# Altium PCB sumboost.PcbDoc (part 2 of 2)
Units mil, origin at the board's own origin, x right, y up, seen from the top; angles counter-clockwise.
Board outline 3937.01 x 3937.01 mil, 2 copper layers (Top Layer, Bottom Layer); 75 components, 26 nets, 285 pads, 2186 vias.
Unrouted connection lines stored in the file: 1.
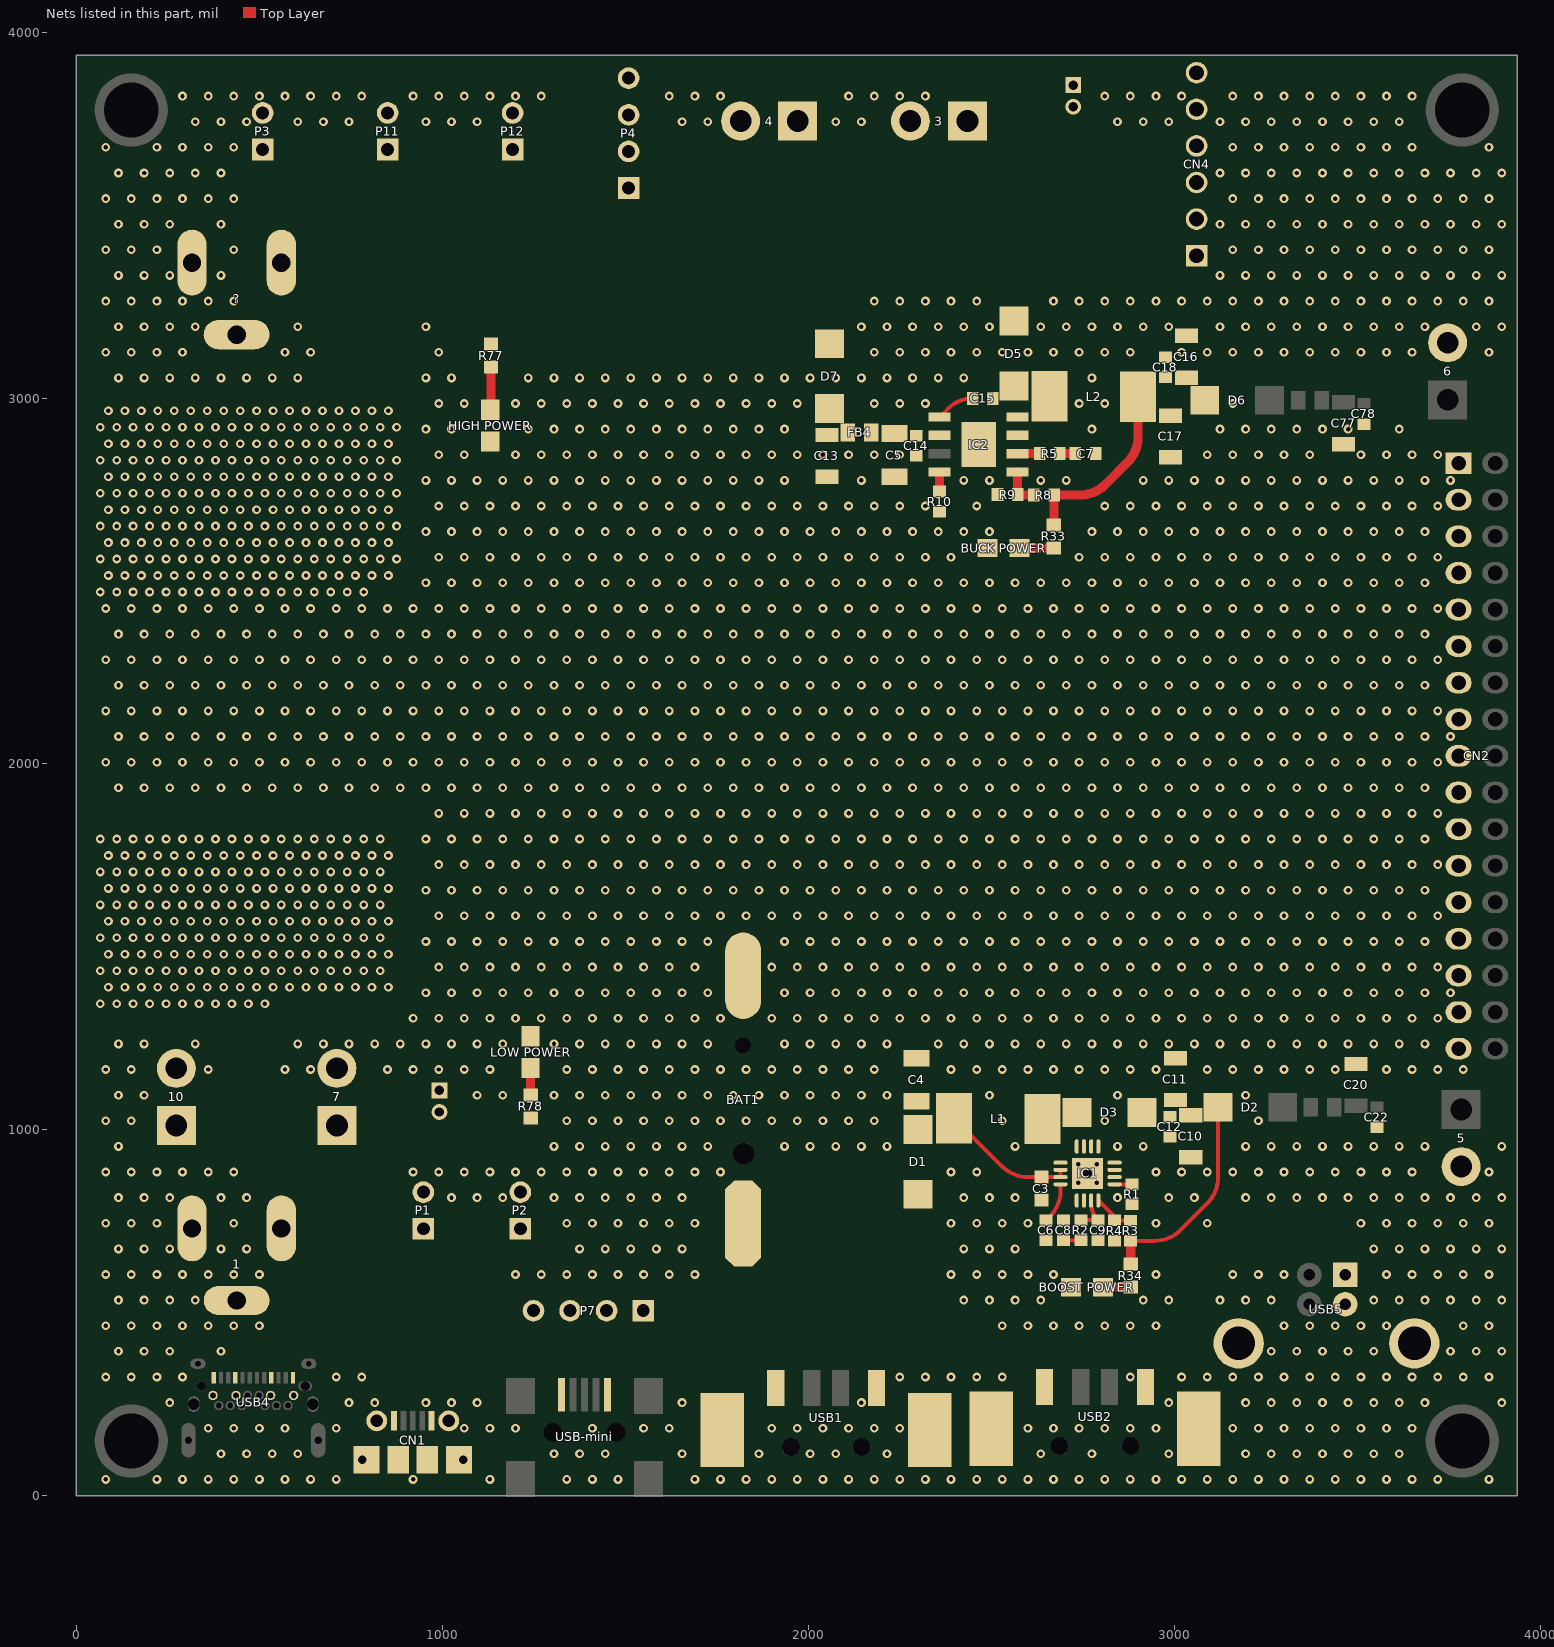
[diagram p2: the nets of this part, all layers, seen from the top]

## Via types
v1: diameter 24, hole 12, Top Layer to Bottom Layer, tented both sides, 2181 vias
v2: diameter 20, hole 12, Top Layer to Bottom Layer, 4 vias
v3: diameter 35, hole 25, Top Layer to Bottom Layer, 1 vias

## Nets (pads, with @x,y where several pads share a name; then routed paths per layer and width w, separated by ;. In a path a pad name is that pad's centre, name@x,y a point inside that pad or via, vN(x,y) a via of type N, cw(c..) or ccw(c..) an arc to the next point about the centre after c; other vN are vias at no path point) (continued)
GND: 1.2 1.3 3.2 4.2 5.2 6.2 7.2 10.2 "BOOST POWER.2" "BUCK POWER.2" "HIGH POWER.2" "LOW POWER.2" ?.1@992,1108.06 ?.1@2724,3855.06 ?.2@315.91,3370 ?.3 BAT1.2 C3.2 C4.2 C5.1 C6.1 C7.1 C8.1 C9.1 C10.1 C11.1 C12.1 C13.1 C14.1 C16.1 C17.1 C18.1 C20.1 C22.1 C77.1 C78.1 CN1.5 CN1.6 CN1.7 CN1.8 CN1.9 CN1.10 CN1.11 CN2.1 CN2.3 CN2.5 CN2.7 CN2.9 CN2.11 CN2.13 CN2.15 CN2.17 CN2.19 CN2.21 CN2.23 CN2.25 CN2.27 CN2.29 CN2.31 CN2.33 CN4.5 CN4.6 D5.1 IC1.5 IC1.6 IC1.10 IC1.11 IC1.12 IC1.13 IC1.14 IC1.17 IC2.7 IC2.9 P1.2 P2.2 P3.2 P4.4 P7.4 P11.2 P12.2 R1.2 R4.1 R9.1 R10.1 USB1.4 USB2.4 USB4.A1 USB4.A12 USB4.B1 USB4.B12 USB5.4 USB-mini.5
  other v1: 80,45 220,45 290,45 360,45 430,45 500,45 570,45 640,45 710,45 920,45 1130,45 1340,45 1410,45 1480,45 1690,45 1760,45 1830,45 1900,45 1970,45 2040,45 2110,45 2180,45 2250,45 2320,45 2390,45 2460,45 2530,45 2600,45 2670,45 2740,45 2810,45 2880,45 2950,45 3020,45 3090,45 3160,45 3230,45 3300,45 3370,45 3440,45 3510,45 3580,45 3650,45 3720,45 3860,45 395,115 465,115 535,115 605,115 1305,115 1375,115 1445,115 1655,115 1865,115 2005,115 2075,115 2215,115 2635,115 2775,115 2985,115 3195,115 3265,115 3335,115 3405,115 3475,115 3545,115 3615,115 360,185 430,185 500,185 570,185 710,185 1060,185 1130,185 1200,185 1410,185 1550,185 1620,185 1900,185 1970,185 2040,185 2110,185 2180,185 2250,185 2600,185 2670,185 2740,185 2810,185 2880,185 2950,185 3160,185 3230,185 3300,185 3370,185 3440,185 3510,185 3580,185 3650,185 255,255 745,255 815,255 955,255 1025,255 1095,255 1655,255 2145,255 2985,255 3195,255 3265,255 3335,255 3405,255 3475,255 3545,255 3615,255 3685,255 3895,255 80,325 150,325 220,325 290,325 710,325 780,325 2250,325 2320,325 2390,325 2460,325 2530,325 2880,325 3020,325 3090,325 3160,325 3230,325 3300,325 3370,325 3440,325 3510,325 3580,325 3650,325 3720,325 3790,325 3860,325 115,395 185,395 255,395 395,395 3265,395 3335,395 3405,395 3475,395 3545,395 3755,395 3825,395 3895,395 80,465 150,465 220,465 290,465 360,465 430,465 500,465 2530,465 2600,465 2670,465 2740,465 2810,465 2880,465 2950,465 3300,465 3370,465 3440,465 3510,465 3580,465 3790,465 3860,465 115,535 185,535 255,535 325,535 2425,535 2495,535 2565,535 2635,535 2915,535 2985,535 3125,535 3195,535 3265,535 3545,535 3615,535 3685,535 3755,535 3825,535 3895,535 80,605 150,605 220,605 290,605 360,605 430,605 500,605 1200,605 1270,605 1340,605 1410,605 1480,605 1550,605 1620,605 1690,605 2390,605 2460,605 2530,605 2600,605 2670,605 2950,605 3160,605 3230,605 3300,605 3580,605 3650,605 3720,605 3790,605 3860,605 115,675 185,675 255,675 395,675 465,675 1375,675 1445,675 1515,675 1585,675 1655,675 2425,675 2495,675 2565,675 3545,675 3615,675 3685,675 3755,675 3825,675 3895,675 80,745 150,745 220,745 430,745 1340,745 1410,745 1480,745 1550,745 1620,745 1690,745 2390,745 2460,745 2530,745 2600,745 2950,745 3090,745 3510,745 3580,745 3650,745 3720,745 3790,745 3860,745 115,815 185,815 255,815 395,815 465,815 1025,815 1095,815 1165,815 1305,815 1375,815 1445,815 1515,815 1585,815 1655,815 2425,815 2495,815 2565,815 2845,815 2985,815 3055,815 3195,815 3265,815 3335,815 3405,815 3475,815 3545,815 3615,815 3685,815 3755,815 3825,815 3895,815 80,885 150,885 220,885 290,885 360,885 430,885 920,885 990,885 1060,885 1130,885 1200,885 1270,885 1340,885 1410,885 1480,885 1550,885 1620,885 1690,885 1760,885 2390,885 2460,885 2950,885 3020,885 3090,885 3160,885 3230,885 3300,885 3370,885 3440,885 3510,885 3580,885 3650,885 3860,885 115,955 1305,955 1375,955 1445,955 1515,955 1585,955 1655,955 1725,955 1935,955 2005,955 2075,955 2145,955 2215,955 2565,955 2845,955 2915,955 3195,955 3265,955 3335,955 3405,955 3475,955 3545,955 3615,955 3685,955 3895,955 80,1025 150,1025 1340,1025 1410,1025 1480,1025 1550,1025 1620,1025 1690,1025 1760,1025 1830,1025 1900,1025 1970,1025 2040,1025 2110,1025 2180,1025 2530,1025 2810,1025 3230,1025 115,1095 185,1095 1095,1095 1165,1095 1305,1095 1375,1095 1445,1095 1515,1095 1585,1095 1655,1095 1725,1095 1795,1095 1865,1095 1935,1095 2005,1095 2075,1095 2145,1095 2215,1095 2495,1095 2845,1095 3195,1095 80,1165 150,1165 360,1165 570,1165 640,1165 850,1165 920,1165 990,1165 1060,1165 1130,1165 1340,1165 1410,1165 1480,1165 1550,1165 1620,1165 1690,1165 1760,1165 1830,1165 1900,1165 1970,1165 2040,1165 2110,1165 2180,1165 2390,1165 2460,1165 2530,1165 2600,1165 2670,1165 2740,1165 2810,1165 2880,1165 2950,1165 3090,1165 3160,1165 3230,1165 3300,1165 3370,1165 3440,1165 3580,1165 3650,1165 3720,1165 3790,1165 115,1235 185,1235 325,1235 605,1235 675,1235 745,1235 815,1235 885,1235 955,1235 1025,1235 1095,1235 1165,1235 1305,1235 1375,1235 1445,1235 1515,1235 1585,1235 1655,1235 1725,1235 1935,1235 2005,1235 2075,1235 2145,1235 2215,1235 2355,1235 2425,1235 2495,1235 2565,1235 2635,1235 2705,1235 2775,1235 2845,1235 2915,1235 2985,1235 3055,1235 3125,1235 3195,1235 3265,1235 3335,1235 3405,1235 3475,1235 3545,1235 3615,1235 3685,1235 920,1305 990,1305 1060,1305 1130,1305 1200,1305 1270,1305 1340,1305 1410,1305 1480,1305 1550,1305 1620,1305 1690,1305 1760,1305 1900,1305 1970,1305 2040,1305 2110,1305 2180,1305 2250,1305 2320,1305 2390,1305 2460,1305 2530,1305 2600,1305 2670,1305 2740,1305 2810,1305 2880,1305 2950,1305 3020,1305 3090,1305 3160,1305 3230,1305 3300,1305 3370,1305 3440,1305 3510,1305 3580,1305 3650,1305 3720,1305 955,1375 1025,1375 1095,1375 1165,1375 1235,1375 1305,1375 1375,1375 1445,1375 1515,1375 1585,1375 1655,1375 1725,1375 1935,1375 2005,1375 2075,1375 2145,1375 2215,1375 2285,1375 2355,1375 2425,1375 2495,1375 2565,1375 2635,1375 2705,1375 2775,1375 2845,1375 2915,1375 2985,1375 3055,1375 3125,1375 3195,1375 3265,1375 3335,1375 3405,1375 3475,1375 3545,1375 3615,1375 3685,1375 3755,1375 990,1445 1060,1445 1130,1445 1200,1445 1270,1445 1340,1445 1410,1445 1480,1445 1550,1445 1620,1445 1690,1445 1900,1445 1970,1445 2040,1445 2110,1445 2180,1445 2250,1445 2320,1445 2390,1445 2460,1445 2530,1445 2600,1445 2670,1445 2740,1445 2810,1445 2880,1445 2950,1445 3020,1445 3090,1445 3160,1445 3230,1445 3300,1445 3370,1445 3440,1445 3510,1445 3580,1445 3650,1445 3720,1445 955,1515 1025,1515 1095,1515 1165,1515 1235,1515 1305,1515 1375,1515 1445,1515 1515,1515 1585,1515 1655,1515 1725,1515 1935,1515 2005,1515 2075,1515 2145,1515 2215,1515 2285,1515 2355,1515 2425,1515 2495,1515 2565,1515 2635,1515 2705,1515 2775,1515 2845,1515 2915,1515 2985,1515 3055,1515 3125,1515 3195,1515 3265,1515 3335,1515 3405,1515 3475,1515 3545,1515 3615,1515 3685,1515 990,1585 1060,1585 1130,1585 1200,1585 1270,1585 1340,1585 1410,1585 1480,1585 1550,1585 1620,1585 1690,1585 1760,1585 1830,1585 1900,1585 1970,1585 2040,1585 2110,1585 2180,1585 2250,1585 2320,1585 2390,1585 2460,1585 2530,1585 2600,1585 2670,1585 2740,1585 2810,1585 2880,1585 2950,1585 3020,1585 3090,1585 3160,1585 3230,1585 3300,1585 3370,1585 3440,1585 3510,1585 3580,1585 3650,1585 3720,1585 955,1655 1025,1655 1095,1655 1165,1655 1235,1655 1305,1655 1375,1655 1445,1655 1515,1655 1585,1655 1655,1655 1725,1655 1795,1655 1865,1655 1935,1655 2005,1655 2075,1655 2145,1655 2215,1655 2285,1655 2355,1655 2425,1655 2495,1655 2565,1655 2635,1655 2705,1655 2775,1655 2845,1655 2915,1655 2985,1655 3055,1655 3125,1655 3195,1655 3265,1655 3335,1655 3405,1655 3475,1655 3545,1655 3615,1655 3685,1655 990,1725 1060,1725 1130,1725 1200,1725 1270,1725 1340,1725 1410,1725 1480,1725 1550,1725 1620,1725 1690,1725 1760,1725 1830,1725 1900,1725 1970,1725 2040,1725 2110,1725 2180,1725 2250,1725 2320,1725 2390,1725 2460,1725 2530,1725 2600,1725 2670,1725 2740,1725 2810,1725 2880,1725 2950,1725 3020,1725 3090,1725 3160,1725 3230,1725 3300,1725 3370,1725 3440,1725 3510,1725 3580,1725 3650,1725 3720,1725 955,1795 1025,1795 1095,1795 1165,1795 1235,1795 1305,1795 1375,1795 1445,1795 1515,1795 1585,1795 1655,1795 1725,1795 1795,1795 1865,1795 1935,1795 2005,1795 2075,1795 2145,1795 2215,1795 2285,1795 2355,1795 2425,1795 2495,1795 2565,1795 2635,1795 2705,1795 2775,1795 2845,1795 2915,1795 2985,1795 3055,1795 3125,1795 3195,1795 3265,1795 3335,1795 3405,1795 3475,1795 3545,1795 3615,1795 3685,1795 990,1865 1060,1865 1130,1865 1200,1865 1270,1865 1340,1865 1410,1865 1480,1865 1550,1865 1620,1865 1690,1865 1760,1865 1830,1865 1900,1865 1970,1865 2040,1865 2110,1865 2180,1865 2250,1865 2320,1865 2390,1865 2460,1865 2530,1865 2600,1865 2670,1865 2740,1865 2810,1865 2880,1865 2950,1865 3020,1865 3090,1865 3160,1865 3230,1865 3300,1865 3370,1865 3440,1865 3510,1865 3580,1865 3650,1865 3720,1865 115,1935 185,1935 255,1935 325,1935 395,1935 465,1935 535,1935 605,1935 675,1935 745,1935 815,1935 885,1935 955,1935 1025,1935 1095,1935 1165,1935 1235,1935 1305,1935 1375,1935 1445,1935 1515,1935 1585,1935 1655,1935 1725,1935 1795,1935 1865,1935 1935,1935 2005,1935 2075,1935 2145,1935 2215,1935 2285,1935 2355,1935 2425,1935 2495,1935 2565,1935 2635,1935 2705,1935 2775,1935 2845,1935 2915,1935 2985,1935 3055,1935 3125,1935 3195,1935 3265,1935 3335,1935 3405,1935 3475,1935 3545,1935 3615,1935 3685,1935 80,2005 150,2005 220,2005 290,2005 360,2005 430,2005 500,2005 570,2005 640,2005 710,2005 780,2005 850,2005 920,2005 990,2005 1060,2005 1130,2005 1200,2005 1270,2005 1340,2005 1410,2005 1480,2005 1550,2005 1620,2005 1690,2005 1760,2005 1830,2005 1900,2005 1970,2005 2040,2005 2110,2005 2180,2005 2250,2005 2320,2005 2390,2005 2460,2005 2530,2005 2600,2005 2670,2005 2740,2005 2810,2005 2880,2005 2950,2005 3020,2005 3090,2005 3160,2005 3230,2005 3300,2005 3370,2005 3440,2005 3510,2005 3580,2005 3650,2005 3720,2005 115,2075 185,2075 255,2075 325,2075 395,2075 465,2075 535,2075 605,2075 675,2075 745,2075 815,2075 885,2075 955,2075 1025,2075 1095,2075 1165,2075 1235,2075 1305,2075 1375,2075 1445,2075 1515,2075 1585,2075 1655,2075 1725,2075 1795,2075 1865,2075 1935,2075 2005,2075 2075,2075 2145,2075 2215,2075 2285,2075 2355,2075 2425,2075 2495,2075 2565,2075 2635,2075 2705,2075 2775,2075 2845,2075 2915,2075 2985,2075 3055,2075 3125,2075 3195,2075 3265,2075 3335,2075 3405,2075 3475,2075 3545,2075 3615,2075 3685,2075 3755,2075 80,2145 150,2145 220,2145 290,2145 360,2145 430,2145 500,2145 570,2145 640,2145 710,2145 780,2145 850,2145 920,2145 990,2145 1060,2145 1130,2145 1200,2145 1270,2145 1340,2145 1410,2145 1480,2145 1550,2145 1620,2145 1690,2145 1760,2145 1830,2145 1900,2145 1970,2145 2040,2145 2110,2145 2180,2145 2250,2145 2320,2145 2390,2145 2460,2145 2530,2145 2600,2145 2670,2145 2740,2145 2810,2145 2880,2145 2950,2145 3020,2145 3090,2145 3160,2145 3230,2145 3300,2145 3370,2145 3440,2145 3510,2145 3580,2145 3650,2145 3720,2145 115,2215 185,2215 255,2215 325,2215 395,2215 465,2215 535,2215 605,2215 675,2215 745,2215 815,2215 885,2215 955,2215 1025,2215 1095,2215 1165,2215 1235,2215 1305,2215 1375,2215 1445,2215 1515,2215 1585,2215 1655,2215 1725,2215 1795,2215 1865,2215 1935,2215 2005,2215 2075,2215 2145,2215 2215,2215 2285,2215 2355,2215 2425,2215 2495,2215 2565,2215 2635,2215 2705,2215 2775,2215 2845,2215 2915,2215 2985,2215 3055,2215 3125,2215 3195,2215 3265,2215 3335,2215 3405,2215 3475,2215 3545,2215 3615,2215 3685,2215 80,2285 150,2285 220,2285 290,2285 360,2285 430,2285 500,2285 570,2285 640,2285 710,2285 780,2285 850,2285 920,2285 990,2285 1060,2285 1130,2285 1200,2285 1270,2285 1340,2285 1410,2285 1480,2285 1550,2285 1620,2285 1690,2285 1760,2285 1830,2285 1900,2285 1970,2285 2040,2285 2110,2285 2180,2285 2250,2285 2320,2285 2390,2285 2460,2285 2530,2285 2600,2285 2670,2285 2740,2285 2810,2285 2880,2285 2950,2285 3020,2285 3090,2285 3160,2285 3230,2285 3300,2285 3370,2285 3440,2285 3510,2285 3580,2285 3650,2285 3720,2285 115,2355 185,2355 255,2355 325,2355 395,2355 465,2355 535,2355 605,2355 675,2355 745,2355 815,2355 885,2355 955,2355 1025,2355 1095,2355 1165,2355 1235,2355 1305,2355 1375,2355 1445,2355 1515,2355 1585,2355 1655,2355 1725,2355 1795,2355 1865,2355 1935,2355 2005,2355 2075,2355 2145,2355 2215,2355 2285,2355 2355,2355 2425,2355 2495,2355 2565,2355 2635,2355 2705,2355 2775,2355 2845,2355 2915,2355 2985,2355 3055,2355 3125,2355 3195,2355 3265,2355 3335,2355 3405,2355 3475,2355 3545,2355 3615,2355 3685,2355 80,2425 150,2425 220,2425 290,2425 360,2425 430,2425 500,2425 570,2425 640,2425 710,2425 780,2425 850,2425 920,2425 990,2425 1060,2425 1130,2425 1200,2425 1270,2425 1340,2425 1410,2425 1480,2425 1550,2425 1620,2425 1690,2425 1760,2425 1830,2425 1900,2425 1970,2425 2040,2425 2110,2425 2180,2425 2250,2425 2320,2425 2390,2425 2460,2425 2530,2425 2600,2425 2670,2425 2740,2425 2810,2425 2880,2425 2950,2425 3020,2425 3090,2425 3160,2425 3230,2425 3300,2425 3370,2425 3440,2425 3510,2425 3580,2425 3650,2425 3720,2425 955,2495 1025,2495 1095,2495 1165,2495 1235,2495 1305,2495 1375,2495 1445,2495 1515,2495 1585,2495 1655,2495 1725,2495 1795,2495 1865,2495 1935,2495 2005,2495 2075,2495 2145,2495 2215,2495 2285,2495 2355,2495 2425,2495 2495,2495 2565,2495 2635,2495 2705,2495 2775,2495 2845,2495 2915,2495 2985,2495 3055,2495 3125,2495 3195,2495 3265,2495 3335,2495 3405,2495 3475,2495 3545,2495 3615,2495 3685,2495 990,2565 1060,2565 1130,2565 1200,2565 1270,2565 1340,2565 1410,2565 1480,2565 1550,2565 1620,2565 1690,2565 1760,2565 1830,2565 1900,2565 1970,2565 2040,2565 2110,2565 2180,2565 2250,2565 2320,2565 2390,2565 2740,2565 2810,2565 2880,2565 2950,2565 3020,2565 3090,2565 3160,2565 3230,2565 3300,2565 3370,2565 3440,2565 3510,2565 3580,2565 3650,2565 3720,2565 955,2635 1025,2635 1095,2635 1165,2635 1235,2635 1305,2635 1375,2635 1445,2635 1515,2635 1585,2635 1655,2635 1725,2635 1795,2635 1865,2635 1935,2635 2005,2635 2075,2635 2145,2635 2215,2635 2285,2635 2355,2635 2425,2635 2495,2635 2775,2635 2845,2635 2915,2635 2985,2635 3055,2635 3125,2635 3195,2635 3265,2635 3335,2635 3405,2635 3475,2635 3545,2635 3615,2635 3685,2635 990,2705 1060,2705 1130,2705 1200,2705 1270,2705 1340,2705 1410,2705 1480,2705 1550,2705 1620,2705 1690,2705 1760,2705 1830,2705 1900,2705 1970,2705 2040,2705 2110,2705 2180,2705 2250,2705 2320,2705 2460,2705 2810,2705 2880,2705 2950,2705 3020,2705 3090,2705 3160,2705 3230,2705 3300,2705 3370,2705 3440,2705 3510,2705 3580,2705 3650,2705 3720,2705 955,2775 1025,2775 1095,2775 1165,2775 1235,2775 1305,2775 1375,2775 1445,2775 1515,2775 1585,2775 1655,2775 1725,2775 1795,2775 1865,2775 1935,2775 2145,2775 2425,2775 2495,2775 2635,2775 2705,2775 2915,2775 2985,2775 3055,2775 3125,2775 3195,2775 3265,2775 3335,2775 3405,2775 3475,2775 3545,2775 3615,2775 3685,2775 3755,2775 990,2845 1060,2845 1200,2845 1270,2845 1340,2845 1410,2845 1480,2845 1550,2845 1620,2845 1690,2845 1760,2845 1830,2845 1900,2845 1970,2845 2040,2845 2110,2845 2180,2845 2250,2845 3090,2845 3160,2845 3230,2845 3300,2845 3370,2845 3510,2845 3580,2845 3650,2845 3720,2845 955,2915 1025,2915 1235,2915 1305,2915 1375,2915 1445,2915 1515,2915 1585,2915 1655,2915 1725,2915 1795,2915 1865,2915 1935,2915 2775,2915 3125,2915 3195,2915 3265,2915 3335,2915 3405,2915 3475,2915 3615,2915 990,2985 1060,2985 1200,2985 1270,2985 1340,2985 1410,2985 1480,2985 1550,2985 1620,2985 1690,2985 1760,2985 1830,2985 1900,2985 1970,2985 2180,2985 2250,2985 2320,2985 2740,2985 2810,2985 3160,2985 115,3055 185,3055 255,3055 325,3055 395,3055 465,3055 535,3055 605,3055 955,3055 1025,3055 1235,3055 1305,3055 1375,3055 1445,3055 1515,3055 1585,3055 1655,3055 1725,3055 1795,3055 1865,3055 1935,3055 2005,3055 2075,3055 2145,3055 2215,3055 2285,3055 2355,3055 2425,3055 2775,3055 80,3125 150,3125 220,3125 290,3125 570,3125 640,3125 990,3125 2180,3125 2250,3125 2320,3125 2390,3125 2460,3125 2530,3125 2600,3125 2670,3125 2740,3125 2810,3125 2880,3125 3020,3125 3090,3125 3160,3125 3230,3125 3300,3125 3370,3125 3440,3125 3510,3125 3580,3125 3650,3125 3860,3125 115,3195 185,3195 255,3195 325,3195 605,3195 955,3195 2145,3195 2215,3195 2285,3195 2355,3195 2425,3195 2495,3195 2635,3195 2705,3195 2775,3195 2845,3195 2915,3195 2985,3195 3125,3195 3195,3195 3265,3195 3335,3195 3405,3195 3475,3195 3545,3195 3615,3195 3685,3195 3825,3195 3895,3195 80,3265 150,3265 220,3265 290,3265 360,3265 430,3265 2180,3265 2250,3265 2320,3265 2390,3265 2460,3265 2670,3265 2740,3265 2810,3265 2880,3265 2950,3265 3020,3265 3090,3265 3160,3265 3230,3265 3300,3265 3370,3265 3440,3265 3510,3265 3580,3265 3650,3265 3720,3265 3790,3265 3860,3265 115,3335 185,3335 255,3335 395,3335 3125,3335 3195,3335 3265,3335 3335,3335 3405,3335 3475,3335 3545,3335 3615,3335 3685,3335 3755,3335 3825,3335 3895,3335 80,3405 150,3405 220,3405 430,3405 3160,3405 3230,3405 3300,3405 3370,3405 3440,3405 3510,3405 3580,3405 3650,3405 3720,3405 3790,3405 3860,3405 115,3475 185,3475 255,3475 395,3475 3125,3475 3195,3475 3265,3475 3335,3475 3405,3475 3475,3475 3545,3475 3615,3475 3685,3475 3755,3475 3825,3475 3895,3475 80,3545 150,3545 220,3545 290,3545 360,3545 430,3545 3160,3545 3230,3545 3300,3545 3370,3545 3440,3545 3510,3545 3580,3545 3650,3545 3720,3545 3790,3545 3860,3545 115,3615 185,3615 255,3615 325,3615 395,3615 3125,3615 3195,3615 3265,3615 3335,3615 3405,3615 3475,3615 3545,3615 3615,3615 3685,3615 3755,3615 3825,3615 3895,3615 80,3685 220,3685 290,3685 360,3685 430,3685 3160,3685 3230,3685 3300,3685 3370,3685 3440,3685 3510,3685 3580,3685 3650,3685 3860,3685 325,3755 395,3755 465,3755 605,3755 675,3755 745,3755 955,3755 1025,3755 1095,3755 1655,3755 1725,3755 2075,3755 2145,3755 2845,3755 2915,3755 2985,3755 3125,3755 3195,3755 3265,3755 3335,3755 3405,3755 3475,3755 3545,3755 3615,3755 290,3825 360,3825 430,3825 500,3825 570,3825 640,3825 710,3825 780,3825 920,3825 990,3825 1060,3825 1130,3825 1200,3825 1270,3825 1620,3825 1690,3825 1760,3825 2110,3825 2180,3825 2250,3825 2320,3825 2810,3825 2880,3825 2950,3825 3020,3825 3160,3825 3230,3825 3300,3825 3370,3825 3440,3825 3510,3825 3580,3825 3650,3825
  other v2: 2738,856 2788,856 2738,906 2788,906
  other v3: 2763,881
NetC3_1: C3.1 C4.1 D1.2 IC1.2 IC1.3 L1.1 | length 372.6
  Top Layer w11: L1.1@2398.09,1031.88 2529.29,900.68 ccw(c2600,971.39) 2600,871.39 C3.1@2637.16,871.39 ; C3.1@2637.39,871.16 IC1.3@2689.1,871.16 IC1.2@2689.1,890.84
NetC5_2: C5.2 C14.2 C15.1 FB4.2 IC2.1 IC2.2 | length 108
  Top Layer w11: IC2.1@2358.46,2948 2381.18,2970.73 cw(c2449.44,2902.47) C15.1@2449.44,2999
NetC6_2: C6.2 IC1.4 | length 96.2
  Top Layer w11: C6.2@2659.81,763.11 ccw(c2589.1,833.82) 2689.1,833.82 IC1.4@2689.1,851.47
NetC7_2: C7.2 R5.1 | length 42.9
  Top Layer w25: R5.1@2687.12,2848 C7.2@2730,2848
NetC8_2: C8.2 R2.2 | length 47.2
  Top Layer w11: C8.2@2697.36,698.34 R2.2@2744.56,698.34
NetC9_2: C9.2 IC1.7 R2.1 | length 105.9
  Top Layer w11: R2.1@2744.56,753.46 C9.2@2791.76,753.46 cw(c2837.42,799.12) 2772.84,799.12 IC1.7@2772.84,807.1
NetC10_2: C10.2 C11.2 C12.2 D2.1 D3.2 R3.2 R34.1 | length 581.3
  Top Layer w11: R3.2@2881,696.88 2946.46,696.88 ccw(c2946.46,796.88) 3017.17,726.17 3090.13,799.13 ccw(c3019.42,869.84) 3119.42,869.84 D2.1@3119.42,1062
  Top Layer w25: R34.1@2881,633.5 R3.2@2881,696.88
NetC13_2: C13.2 D7.2 FB4.1
NetC15_2: C15.2 D5.2 IC2.8 L2.1
NetC16_2: C16.2 C17.2 C18.2 D6.1 L2.2 R8.2 R33.1 | length 501.4
  Top Layer w25: R33.1@2671,2653.5 ccw(c2669.65,2654.85) 2671.56,2654.85 R8.2@2671.56,2735 2741.58,2735 ccw(c2741.58,2835) 2812.29,2764.29 2871.84,2823.84 ccw(c2801.13,2894.55) 2901.13,2894.55 L2.2@2901.13,3003.03
NetD3_1: D3.1 IC1.1 IC1.15 IC1.16 L1.2
NetIC1_8: IC1.8 R3.1 R4.2 | length 116.1
  Top Layer w11: IC1.8@2792.53,807.1 2829.88,769.75 cw(c2812.69,752.56) R4.2@2837,752.56 2879.65,752.56 cw(c2879.65,750.65) R3.1@2881,752
NetIC1_9: IC1.9 R1.1 | length 48.2
  Top Layer w11: IC1.9@2836.9,851.47 R1.1@2885.14,851.47
NetIC2_4: IC2.4 R10.2 | length 53.6
  Top Layer w25: IC2.4@2358.46,2798 2358.46,2745.87 ccw(c2360.31,2745.87) R10.2@2359,2744.56
NetIC2_5: IC2.5 R8.1 R9.2 | length 106.6
  Top Layer w25: IC2.5@2572,2798 2572,2736.12 ccw(c2574.7,2738.82) 2574.7,2735 R8.1@2616.44,2735
NetIC2_6: IC2.6 R5.2 | length 60
  Top Layer w25: IC2.6@2572,2848 R5.2@2632,2848
NetLD1_1: "BOOST POWER.1" R34.2 | length 76.1
  Top Layer w25: 2805,570 cw(c2806.22,568.78) 2806.22,570.5 R34.2@2881,570.5
NetLD2_1: "BUCK POWER.1" R33.2 | length 94.1
  Top Layer w25: 2577,2590 cw(c2578.22,2588.78) 2578.22,2590.5 R33.2@2671,2590.5
NetLD3_1: "LOW POWER.1" R78.2 | length 73
  Top Layer w25: R78.2@1241,1095.99 1241,1168.99
NetLD4_1: "HIGH POWER.1" R77.2 | length 117
  Top Layer w25: 1131,2968 ccw(c1126.17,2972.83) 1133,2972.83 R77.2@1133,3084.5
VHIGH: 3.1 4.1 ?.1@560,3370 ?.2@2724,3796 CN4.1 CN4.2 CN4.3 CN4.4 D7.1 P3.1 P4.1 P4.2 P4.3 P11.1 P12.1 R77.1
  other v1: 65,2470 110,2470 155,2470 200,2470 245,2470 290,2470 335,2470 380,2470 425,2470 470,2470 515,2470 560,2470 605,2470 650,2470 695,2470 740,2470 785,2470 87.5,2515 132.5,2515 177.5,2515 222.5,2515 267.5,2515 312.5,2515 357.5,2515 402.5,2515 447.5,2515 492.5,2515 537.5,2515 582.5,2515 627.5,2515 672.5,2515 717.5,2515 762.5,2515 807.5,2515 852.5,2515 65,2560 110,2560 155,2560 200,2560 245,2560 290,2560 335,2560 380,2560 425,2560 470,2560 515,2560 560,2560 605,2560 650,2560 695,2560 740,2560 785,2560 830,2560 875,2560 87.5,2605 132.5,2605 177.5,2605 222.5,2605 267.5,2605 312.5,2605 357.5,2605 402.5,2605 447.5,2605 492.5,2605 537.5,2605 582.5,2605 627.5,2605 672.5,2605 717.5,2605 762.5,2605 807.5,2605 852.5,2605 65,2650 110,2650 155,2650 200,2650 245,2650 290,2650 335,2650 380,2650 425,2650 470,2650 515,2650 560,2650 605,2650 650,2650 695,2650 740,2650 785,2650 830,2650 875,2650 87.5,2695 132.5,2695 177.5,2695 222.5,2695 267.5,2695 312.5,2695 357.5,2695 402.5,2695 447.5,2695 492.5,2695 537.5,2695 582.5,2695 627.5,2695 672.5,2695 717.5,2695 762.5,2695 807.5,2695 852.5,2695 65,2740 110,2740 155,2740 200,2740 245,2740 290,2740 335,2740 380,2740 425,2740 470,2740 515,2740 560,2740 605,2740 650,2740 695,2740 740,2740 785,2740 830,2740 875,2740 87.5,2785 132.5,2785 177.5,2785 222.5,2785 267.5,2785 312.5,2785 357.5,2785 402.5,2785 447.5,2785 492.5,2785 537.5,2785 582.5,2785 627.5,2785 672.5,2785 717.5,2785 762.5,2785 807.5,2785 852.5,2785 65,2830 110,2830 155,2830 200,2830 245,2830 290,2830 335,2830 380,2830 425,2830 470,2830 515,2830 560,2830 605,2830 650,2830 695,2830 740,2830 785,2830 830,2830 875,2830 87.5,2875 132.5,2875 177.5,2875 222.5,2875 267.5,2875 312.5,2875 357.5,2875 402.5,2875 447.5,2875 492.5,2875 537.5,2875 582.5,2875 627.5,2875 672.5,2875 717.5,2875 762.5,2875 807.5,2875 852.5,2875 65,2920 110,2920 155,2920 200,2920 245,2920 290,2920 335,2920 380,2920 425,2920 470,2920 515,2920 560,2920 605,2920 650,2920 695,2920 740,2920 785,2920 830,2920 875,2920 87.5,2965 132.5,2965 177.5,2965 222.5,2965 267.5,2965 312.5,2965 357.5,2965 402.5,2965 447.5,2965 492.5,2965 537.5,2965 582.5,2965 627.5,2965 672.5,2965 717.5,2965 762.5,2965 807.5,2965 852.5,2965
VLOW: 1.1 7.1 10.1 ?.2@992,1049 BAT1.1 CN1.1 D1.1 P1.1 P2.1 P7.1 P7.2 P7.3 R78.1 USB1.1 USB2.1 USB4.A4 USB4.A9 USB4.B4 USB4.B9 USB5.1 USB-mini.1
  other v1: 65,1345 110,1345 155,1345 200,1345 245,1345 290,1345 335,1345 380,1345 425,1345 470,1345 515,1345 87.5,1390 132.5,1390 177.5,1390 222.5,1390 267.5,1390 312.5,1390 357.5,1390 402.5,1390 447.5,1390 492.5,1390 537.5,1390 582.5,1390 627.5,1390 672.5,1390 717.5,1390 762.5,1390 807.5,1390 852.5,1390 65,1435 110,1435 155,1435 200,1435 245,1435 290,1435 335,1435 380,1435 425,1435 470,1435 515,1435 560,1435 605,1435 650,1435 695,1435 740,1435 785,1435 830,1435 87.5,1480 132.5,1480 177.5,1480 222.5,1480 267.5,1480 312.5,1480 357.5,1480 402.5,1480 447.5,1480 492.5,1480 537.5,1480 582.5,1480 627.5,1480 672.5,1480 717.5,1480 762.5,1480 807.5,1480 852.5,1480 65,1525 110,1525 155,1525 200,1525 245,1525 290,1525 335,1525 380,1525 425,1525 470,1525 515,1525 560,1525 605,1525 650,1525 695,1525 740,1525 785,1525 830,1525 87.5,1570 132.5,1570 177.5,1570 222.5,1570 267.5,1570 312.5,1570 357.5,1570 402.5,1570 447.5,1570 492.5,1570 537.5,1570 582.5,1570 627.5,1570 672.5,1570 717.5,1570 762.5,1570 807.5,1570 852.5,1570 65,1615 110,1615 155,1615 200,1615 245,1615 290,1615 335,1615 380,1615 425,1615 470,1615 515,1615 560,1615 605,1615 650,1615 695,1615 740,1615 785,1615 830,1615 87.5,1660 132.5,1660 177.5,1660 222.5,1660 267.5,1660 312.5,1660 357.5,1660 402.5,1660 447.5,1660 492.5,1660 537.5,1660 582.5,1660 627.5,1660 672.5,1660 717.5,1660 762.5,1660 807.5,1660 852.5,1660 65,1705 110,1705 155,1705 200,1705 245,1705 290,1705 335,1705 380,1705 425,1705 470,1705 515,1705 560,1705 605,1705 650,1705 695,1705 740,1705 785,1705 830,1705 87.5,1750 132.5,1750 177.5,1750 222.5,1750 267.5,1750 312.5,1750 357.5,1750 402.5,1750 447.5,1750 492.5,1750 537.5,1750 582.5,1750 627.5,1750 672.5,1750 717.5,1750 762.5,1750 807.5,1750 852.5,1750 65,1795 110,1795 155,1795 200,1795 245,1795 290,1795 335,1795 380,1795 425,1795 470,1795 515,1795 560,1795 605,1795 650,1795 695,1795 740,1795 785,1795 830,1795
pads on no net: BAT1.0 CN1.2 CN1.3 CN1.4 IC2.3 USB1.2 USB1.3 USB1.7 USB1.8 USB2.2 USB2.3 USB2.7 USB2.8 USB4.0 USB4.A2 USB4.A3 USB4.A5 USB4.A6 USB4.A7 USB4.A8 USB4.A10 USB4.A11 USB4.B2 USB4.B3 USB4.B5 USB4.B6 USB4.B7 USB4.B8 USB4.B10 USB4.B11 USB4.N USB5.2 USB5.3 USB-mini.2 USB-mini.3 USB-mini.4 USB-mini.6 USB-mini.7 USB-mini.8 USB-mini.9 USB-mini.MH1 USB-mini.MH2

## Polygon pours and split planes (outlines as drawn)
GND on Top Layer "Top Layer-No Net" (solid, pour order 40): 0,3937.01 3937.01,3937.01 3937.01,0 2.41,0 cw(c2.41,3.41) 0,1
VHIGH on Top Layer "Top Layer-No Net" (solid, pour order 38): 693,3310 693,3077.28 cw(c624.72,3077.28) 673,3029 662.29,3018.29 cw(c591.58,3089) 591.58,2989 6,2989 6,2452 769.58,2452 ccw(c769.58,2552) 840.29,2481.29 892,2533 ccw(c875.1,2549.9) 899,2549.9 899,3318
VLOW on Top Layer "Top Layer-No Net" (solid, pour order 36): 383,1070 383,1206.58 ccw(c283,1206.58) 353.71,1277.29 336.29,1294.71 ccw(c265.58,1224) 265.58,1324 -2,1324 -2,1853.17 cw(c4.83,1853.17) 0,1858 cw(c4.83,1853.17) 4.83,1860 856.59,1860 cw(c856.59,1856.59) 859,1859 cw(c839.69,1839.69) 867,1839.69 867,1361 627.42,1361 ccw(c627.42,1261) 556.71,1331.71 531,1306 ccw(c572.04,1264.96) 514,1264.96 514,1073
VLOW on Top Layer "Top Layer-No Net" (solid, pour order 22): 165 vertices, not listed, extent 185,178 3500,1092
VHIGH on Top Layer "Top Layer-No Net" (solid, pour order 20): 486.9,3719 ccw(c486.9,3695.1) 470,3712 ccw(c477.24,3704.76) 467,3704.76 467,3360.42 ccw(c567,3360.42) 496.29,3289.71 503,3283 ccw(c544.04,3324.04) 544.04,3266 927.58,3266 cw(c927.58,3166) 998.29,3236.71 1063.27,3171.73 cw(c1032.54,3141) 1076,3141 ccw(c1085.66,3141) 1078.83,3134.17 1079,3134 ccw(c1100.73,3155.73) 1100.73,3125 2052.54,3125 ccw(c2052.54,3186.46) 2096,3143 2096,3222.58 cw(c2196,3222.58) 2125.29,3293.29 2159.71,3327.71 cw(c2230.42,3257) 2230.42,3357 3050,3357 ccw(c3050,3405.28) 3084.14,3371.14 3087,3374 ccw(c3077.34,3383.66) 3091,3383.66 3091,3686.86 ccw(c3056.86,3686.86) 3081,3711 ccw(c3056.86,3686.86) 3056.86,3721 2883.42,3721 cw(c2883.42,3821) 2812.71,3750.29 2754.73,3808.27 ccw(c2724,3777.54) 2724,3821 2395.9,3821 ccw(c2395.9,3797.1) 2379,3814 ccw(c2395.9,3797.1) 2372,3797.1 2372,3711 cw(c2345.44,3711) 2364.22,3692.22 2358,3686 cw(c2341.1,3702.9) 2341.1,3679 2080.14,3679 cw(c2080.14,3713.14) 2056,3689 cw(c2092.21,3725.21) 2041,3725.21 2041,3793.62 ccw(c1996.62,3793.62) 2028,3825 ccw(c2011.1,3808.1) 2011.1,3832 1946.8,3832 ccw(c1946.8,3784.2) 1913,3818 ccw(c1932.31,3798.69) 1905,3798.69 1905,3717 cw(c1876.03,3717) 1896.51,3696.51 1892,3692 cw(c1877.51,3706.49) 1877.51,3686 1672.42,3686 cw(c1672.42,3786) 1601.71,3715.29 1554.36,3762.64 cw(c1569.73,3778) 1548,3778 1548,3786.27 ccw(c1517.27,3786.27) 1539,3808 ccw(c1517.27,3786.27) 1517.27,3817 1369.42,3817 ccw(c1369.42,3717) 1298.71,3787.71 1244.26,3733.26 cw(c1205,3772.53) 1205,3717 510.83,3717 cw(c510.83,3723.83) 506,3719
+VOUT on Top Layer "Top Layer-No Net" (solid, pour order 18): 3273,3079 3268.7,3079 ccw(c3268.7,3007.3) 3218,3058 ccw(c3222.83,3053.17) 3216,3053.17 3216,2967.07 ccw(c3233.07,2967.07) 3221,2955 ccw(c3228.24,2962.24) 3228.24,2952 3478.93,2952 ccw(c3478.93,2969.07) 3491,2957 cw(c3505.49,2942.51) 3505.49,2963 3631.3,2963 cw(c3631.3,2891.3) 3682,2942 ccw(c3701.31,2961.31) 3701.31,2934 3750.58,2934 cw(c3750.58,2834) 3821.29,2904.71 3824,2902 cw(c3802.27,2880.27) 3833,2880.27 3833,1185.77 cw(c3744.23,1185.77) 3807,1123 cw(c3787.69,1142.31) 3787.69,1115 3470.28,1115 ccw(c3470.28,1046.72) 3422,1095 ccw(c3438.9,1078.1) 3415,1078.1 3415,1041.83 ccw(c3421.83,1041.83) 3417,1037 ccw(c3419.41,1039.41) 3419.41,1036 3655.58,1036 cw(c3655.58,936) 3726.29,1006.71 3731,1002 ccw(c3740.66,1011.66) 3740.66,998 3937,998 3937,3080
NetC16_2 on Top Layer "Top Layer-No Net" (solid, pour order 16): 2853,3079 ccw(c2867.49,3064.51) 2847,3064.51 2847,2941.24 ccw(c2857.24,2941.24) 2850,2934 ccw(c2857.24,2941.24) 2857.24,2931 3072.72,2931 ccw(c3072.72,2999.28) 3121,2951 ccw(c3113.76,2958.24) 3124,2958.24 3124,3057.51 ccw(c3103.51,3057.51) 3118,3072 ccw(c3096.27,3050.27) 3096.27,3081 2857.83,3081 ccw(c2857.83,3074.17)
NetC13_2 on Top Layer "Top Layer-No Net" (solid, pour order 14): 2022.83,3014 ccw(c2022.83,3007.17) 2018,3012 ccw(c2020.41,3009.59) 2017,3009.59 2017,2881.41 ccw(c2020.41,2881.41) 2018,2879 ccw(c2022.83,2883.83) 2022.83,2877 2122.76,2877 ccw(c2122.76,2887.24) 2130,2880 ccw(c2127.59,2882.41) 2131,2882.41 2131,2999.93 ccw(c2113.93,2999.93) 2126,3012 ccw(c2121.17,3007.17) 2121.17,3014
NetC5_2 on Top Layer "Top Layer-No Net" (solid, pour order 12): 2156.83,2934 ccw(c2156.83,2927.17) 2152,2932 ccw(c2156.83,2927.17) 2150,2927.17 2150,2884.41 ccw(c2153.41,2884.41) 2151,2882 ccw(c2153.41,2884.41) 2153.41,2881 2380.34,2881 ccw(c2380.34,2894.66) 2390,2885 ccw(c2385.17,2889.83) 2392,2889.83 2392,2957.17 ccw(c2385.17,2957.17) 2390,2962 ccw(c2385.17,2957.17) 2385.17,2964 2334.24,2964 ccw(c2334.24,2953.76) 2327,2961 ccw(c2331.83,2956.17) 2325,2956.17 2325,2930.07 cw(c2307.93,2930.07) 2320,2918 cw(c2312.76,2925.24) 2312.76,2915 2284.24,2915 cw(c2284.24,2925.24) 2277,2918 2276.12,2918.88 cw(c2281.24,2924) 2274,2924 2274,2927.59 ccw(c2270.59,2927.59) 2273,2930 ccw(c2263.34,2920.34) 2263.34,2934
NetC15_2 on Top Layer "Top Layer-No Net" (solid, pour order 8): 2697.93,3079 cw(c2697.93,3061.93) 2710,3074 cw(c2697.93,3061.93) 2715,3061.93 2715,2947.07 cw(c2697.93,2947.07) 2710,2935 cw(c2697.93,2947.07) 2697.93,2930 2553.9,2930 cw(c2553.9,2953.9) 2537,2937 cw(c2549.07,2949.07) 2532,2949.07 2532,2960 ccw(c2512.69,2960) 2526.34,2973.66 2526,2974 ccw(c2521.17,2969.17) 2521.17,2976 2489,2976 cw(c2489,2978.41) 2487.29,2976.71 2485,2979 2485,3008.34 cw(c2498.66,3008.34) 2489,3018 2507.27,3036.27 ccw(c2476.54,3067) 2520,3067 2520,3067.34 cw(c2533.66,3067.34) 2524,3077 cw(c2528.83,3072.17) 2528.83,3079
NetD3_1 on Top Layer "Top Layer-No Net" (solid, pour order 6): 2603.66,1107 ccw(c2603.66,1093.34) 2594,1103 ccw(c2613.31,1083.69) 2586,1083.69 2586,972.49 ccw(c2606.49,972.49) 2592,958 ccw(c2599.24,965.24) 2599.24,955 2626,955 cw(c2626,913.96) 2655.02,942.98 2656,942 cw(c2627.03,913.03) 2668,913.03 2668,910.83 ccw(c2674.83,910.83) 2670,906 ccw(c2672.41,908.41) 2672.41,905 2700.76,905 ccw(c2700.76,915.24) 2708,908 ccw(c2705.59,910.41) 2709,910.41 2709,927.17 cw(c2715.83,927.17) 2711,932 cw(c2718.24,924.76) 2718.24,935 2754,935 2754,962.03 cw(c2794.97,962.03) 2766,991 ccw(c2734.62,1022.38) 2779,1022.38 2779,1087.1 ccw(c2755.1,1087.1) 2772,1104 ccw(c2764.76,1096.76) 2764.76,1107
+VOUT2 on Top Layer "Top Layer-No Net" (solid, pour order 4): 3257,1104 3255.54,1102.54 ccw(c3264.07,1094) 3252,1094 3252,1034.07 ccw(c3269.07,1034.07) 3257,1022 ccw(c3261.83,1026.83) 3261.83,1020 3376.51,1020 ccw(c3376.51,1040.49) 3391,1026 ccw(c3381.34,1035.66) 3395,1035.66 3395,1086.34 ccw(c3381.34,1086.34) 3391,1096 ccw(c3371.69,1076.69) 3371.69,1104
NetC10_2 on Top Layer "Top Layer-No Net" (solid, pour order 0): 2881,1107 ccw(c2917.21,1070.79) 2866,1070.79 2866,1017.83 ccw(c2872.83,1017.83) 2868,1013 ccw(c2882.49,1027.49) 2882.49,1007 3135.44,1007 ccw(c3135.44,1044.56) 3162,1018 ccw(c3147.51,1032.49) 3168,1032.49 3168,1094.17 ccw(c3161.17,1094.17) 3166,1099 ccw(c3141.86,1074.86) 3141.86,1109 2885.83,1109 ccw(c2885.83,1102.17)
no net on Top Overlay "Top Layer-No Net" (solid, pour order 32): 3272.77,3079.5 3268.47,3079.5 ccw(c3268.47,3007.8) 3217.77,3058.5 ccw(c3222.6,3053.67) 3215.77,3053.67 3215.77,2967.57 ccw(c3232.84,2967.57) 3220.77,2955.5 ccw(c3228.01,2962.75) 3228.01,2952.5 3478.7,2952.5 ccw(c3478.7,2969.57) 3490.77,2957.5 cw(c3505.25,2943.02) 3505.25,2963.5 3631.07,2963.5 cw(c3631.07,2891.8) 3681.77,2942.5 ccw(c3701.08,2961.82) 3701.08,2934.5 3750.35,2934.5 cw(c3750.35,2834.5) 3821.06,2905.21 3823.77,2902.5 cw(c3802.04,2880.77) 3832.77,2880.77 3832.77,1186.27 cw(c3744,1186.27) 3806.77,1123.5 cw(c3787.46,1142.82) 3787.46,1115.5 3470.05,1115.5 ccw(c3470.05,1047.22) 3421.77,1095.5 ccw(c3438.67,1078.6) 3414.77,1078.6 3414.77,1042.33 ccw(c3421.6,1042.33) 3416.77,1037.5 ccw(c3419.18,1039.92) 3419.18,1036.5 3655.35,1036.5 cw(c3655.35,936.5) 3726.06,1007.21 3730.77,1002.5 ccw(c3740.43,1012.16) 3740.43,998.5 3936.77,998.5 3936.77,3080.5
no net on Top Overlay "Top Layer-No Net" (solid, pour order 28): 165 vertices, not listed, extent 185.08,177.48 3500.08,1091.48
no net on Top Overlay "Top Layer-No Net" (solid, pour order 26): 487.48,3719 ccw(c487.48,3695.1) 470.58,3712 ccw(c477.82,3704.76) 467.58,3704.76 467.58,3360.42 ccw(c567.58,3360.42) 496.87,3289.71 503.58,3283 ccw(c544.62,3324.04) 544.62,3266 928.16,3266 cw(c928.16,3166) 998.87,3236.71 1063.85,3171.73 cw(c1033.12,3141) 1076.58,3141 ccw(c1086.24,3141) 1079.41,3134.17 1079.58,3134 ccw(c1101.31,3155.73) 1101.31,3125 2053.12,3125 ccw(c2053.12,3186.46) 2096.58,3143 2096.58,3222.58 cw(c2196.58,3222.58) 2125.87,3293.29 2160.29,3327.71 cw(c2231,3257) 2231,3357 3050.58,3357 ccw(c3050.58,3405.28) 3084.72,3371.14 3087.58,3374 ccw(c3077.92,3383.66) 3091.58,3383.66 3091.58,3686.86 ccw(c3057.44,3686.86) 3081.58,3711 ccw(c3057.44,3686.86) 3057.44,3721 2884,3721 cw(c2884,3821) 2813.29,3750.29 2755.31,3808.27 ccw(c2724.58,3777.54) 2724.58,3821 2396.48,3821 ccw(c2396.48,3797.1) 2379.58,3814 ccw(c2396.48,3797.1) 2372.58,3797.1 2372.58,3711 cw(c2346.02,3711) 2364.8,3692.22 2358.58,3686 cw(c2341.68,3702.9) 2341.68,3679 2080.72,3679 cw(c2080.72,3713.14) 2056.58,3689 cw(c2092.79,3725.21) 2041.58,3725.21 2041.58,3793.62 ccw(c1997.19,3793.62) 2028.58,3825 ccw(c2011.68,3808.1) 2011.68,3832 1947.38,3832 ccw(c1947.38,3784.2) 1913.58,3818 ccw(c1932.89,3798.69) 1905.58,3798.69 1905.58,3717 cw(c1876.61,3717) 1897.09,3696.51 1892.58,3692 cw(c1878.09,3706.49) 1878.09,3686 1673,3686 cw(c1673,3786) 1602.29,3715.29 1554.94,3762.64 cw(c1570.31,3778) 1548.58,3778 1548.58,3786.27 ccw(c1517.85,3786.27) 1539.58,3808 ccw(c1517.85,3786.27) 1517.85,3817 1370,3817 ccw(c1370,3717) 1299.29,3787.71 1244.84,3733.26 cw(c1205.58,3772.53) 1205.58,3717 511.41,3717 cw(c511.41,3723.83) 506.58,3719
GND on Bottom Layer "Top Layer-No Net" (solid, pour order 42): 0,3937.01 3937.01,3937.01 3937.01,0 0,0

## Keep-outs
Keep-Out Layer:
  the board outline again, w10

## Other copper
Top Layer:
  rectangle net +VOUT1: 3221,2955 3358,3034
  rectangle net NetC3_1: 2257,956 2448,1104
  pour cut-out: 2312.76,2915 2377.51,2915 cw(c2377.51,2894.51) 2392,2909 2392,2985 ccw(c2392,2960.86) 2374.93,2977.93 2370,2973 cw(c2360.34,2982.66) 2360.34,2969 2345,2969 ccw(c2345,2947.01) 2329.45,2962.56 2326.05,2959.16
  pour cut-out: 3205,3087 ccw(c3207.41,3084.59) 3204,3084.59 3204,3040 3325.81,3040 cw(c3325.81,2980.06) 3368.2,3022.44 cw(c3401.4,3022.44) 3377.92,3045.92 3397.86,3065.86 cw(c3432,3031.72) 3432,3080
Bottom Layer:
  rectangle net VLOW: 12,1321 900,1865
  rectangle net VHIGH: 13,2448 915,2991

## Silkscreen, mask and mechanical layers (free items; w line width, h text height)
Top Solder:
  rectangle: 18,2472 817,2983
  rectangle: 15,1366 855,1854
  rectangle: 19,1982 873,2341
Bottom Solder:
  rectangle: 18,2472 817,2983
  rectangle: 15,1366 855,1854

## Text inside footprints (layer, text, board x,y; h text height)
CN1: Mechanical 1 "Board edge" at 1139.18,47.34 h40
USB1: Top Overlay "GND" at 2188.54,213 h40 r270; Top Overlay "D+" at 2068.54,213 h40 r270; Top Overlay "D-" at 1988.54,213 h40 r270; Top Overlay "VCC" at 1868.54,213 h40 r270
USB2: Top Overlay "GND" at 2923.46,216 h40 r270; Top Overlay "D+" at 2803.46,216 h40 r270; Top Overlay "D-" at 2723.46,216 h40 r270; Top Overlay "VCC" at 2603.46,216 h40 r270